# Allegro board LED_FIN.brd (continued)
## Nets (continued)
ROW_OUT_A21: D481.3(ANODE) D482.3(ANODE) D483.3(ANODE) D484.3(ANODE) D485.3(ANODE) D486.3(ANODE) D487.3(ANODE) D488.3(ANODE) D489.3(ANODE) D490.3(ANODE) D491.3(ANODE) D492.3(ANODE) D493.3(ANODE) D494.3(ANODE) D495.3(ANODE) D496.3(ANODE) D497.3(ANODE) D498.3(ANODE) D499.3(ANODE) D500.3(ANODE) D501.3(ANODE) D502.3(ANODE) D503.3(ANODE) D504.3(ANODE) D505.3(ANODE) D506.3(ANODE) D507.3(ANODE) D508.3(ANODE) D509.3(ANODE) D510.3(ANODE) D1621.3(ANODE) D1622.3(ANODE) D1623.3(ANODE) D1624.3(ANODE) D1625.3(ANODE) D1626.3(ANODE) D1627.3(ANODE) D1628.3(ANODE) D1629.3(ANODE) D1630.3(ANODE) D1631.3(ANODE) D1632.3(ANODE) D1633.3(ANODE) D1634.3(ANODE) D1635.3(ANODE) D1636.3(ANODE) D1637.3(ANODE) D1638.3(ANODE) D1639.3(ANODE) D1640.3(ANODE) D1641.3(ANODE) D1642.3(ANODE) D1643.3(ANODE) D1644.3(ANODE) D1645.3(ANODE) D1646.3(ANODE) D1647.3(ANODE) D1648.3(ANODE) D1649.3(ANODE) D1650.3(ANODE) D2761.3(ANODE) D2762.3(ANODE) D2763.3(ANODE) D2764.3(ANODE) D2765.3(ANODE) D2766.3(ANODE) D2767.3(ANODE) D2768.3(ANODE) D2769.3(ANODE) D2770.3(ANODE) D2771.3(ANODE) D2772.3(ANODE) D2773.3(ANODE) D2774.3(ANODE) D2775.3(ANODE) D2776.3(ANODE) D2777.3(ANODE) D2778.3(ANODE) D2779.3(ANODE) D2780.3(ANODE) D2781.3(ANODE) D2782.3(ANODE) D2783.3(ANODE) D2784.3(ANODE) D2785.3(ANODE) D2786.3(ANODE) D2787.3(ANODE) D2788.3(ANODE) D2789.3(ANODE) D2790.3(ANODE) D3901.3(ANODE) D3902.3(ANODE) D3903.3(ANODE) D3904.3(ANODE) D3905.3(ANODE) D3906.3(ANODE) D3907.3(ANODE) D3908.3(ANODE) D3909.3(ANODE) D3910.3(ANODE) D3911.3(ANODE) D3912.3(ANODE) D3913.3(ANODE) D3914.3(ANODE) D3915.3(ANODE) D3916.3(ANODE) D3917.3(ANODE) D3918.3(ANODE) D3919.3(ANODE) D3920.3(ANODE) D3921.3(ANODE) D3922.3(ANODE) D3923.3(ANODE) D3924.3(ANODE) D3925.3(ANODE) D3926.3(ANODE) D3927.3(ANODE) D3928.3(ANODE) D3929.3(ANODE) D3930.3(ANODE) U17.1(DRAIN)
ROW_OUT_A22: D451.3(ANODE) D452.3(ANODE) D453.3(ANODE) D454.3(ANODE) D455.3(ANODE) D456.3(ANODE) D457.3(ANODE) D458.3(ANODE) D459.3(ANODE) D460.3(ANODE) D461.3(ANODE) D462.3(ANODE) D463.3(ANODE) D464.3(ANODE) D465.3(ANODE) D466.3(ANODE) D467.3(ANODE) D468.3(ANODE) D469.3(ANODE) D470.3(ANODE) D471.3(ANODE) D472.3(ANODE) D473.3(ANODE) D474.3(ANODE) D475.3(ANODE) D476.3(ANODE) D477.3(ANODE) D478.3(ANODE) D479.3(ANODE) D480.3(ANODE) D1591.3(ANODE) D1592.3(ANODE) D1593.3(ANODE) D1594.3(ANODE) D1595.3(ANODE) D1596.3(ANODE) D1597.3(ANODE) D1598.3(ANODE) D1599.3(ANODE) D1600.3(ANODE) D1601.3(ANODE) D1602.3(ANODE) D1603.3(ANODE) D1604.3(ANODE) D1605.3(ANODE) D1606.3(ANODE) D1607.3(ANODE) D1608.3(ANODE) D1609.3(ANODE) D1610.3(ANODE) D1611.3(ANODE) D1612.3(ANODE) D1613.3(ANODE) D1614.3(ANODE) D1615.3(ANODE) D1616.3(ANODE) D1617.3(ANODE) D1618.3(ANODE) D1619.3(ANODE) D1620.3(ANODE) D2731.3(ANODE) D2732.3(ANODE) D2733.3(ANODE) D2734.3(ANODE) D2735.3(ANODE) D2736.3(ANODE) D2737.3(ANODE) D2738.3(ANODE) D2739.3(ANODE) D2740.3(ANODE) D2741.3(ANODE) D2742.3(ANODE) D2743.3(ANODE) D2744.3(ANODE) D2745.3(ANODE) D2746.3(ANODE) D2747.3(ANODE) D2748.3(ANODE) D2749.3(ANODE) D2750.3(ANODE) D2751.3(ANODE) D2752.3(ANODE) D2753.3(ANODE) D2754.3(ANODE) D2755.3(ANODE) D2756.3(ANODE) D2757.3(ANODE) D2758.3(ANODE) D2759.3(ANODE) D2760.3(ANODE) D3871.3(ANODE) D3872.3(ANODE) D3873.3(ANODE) D3874.3(ANODE) D3875.3(ANODE) D3876.3(ANODE) D3877.3(ANODE) D3878.3(ANODE) D3879.3(ANODE) D3880.3(ANODE) D3881.3(ANODE) D3882.3(ANODE) D3883.3(ANODE) D3884.3(ANODE) D3885.3(ANODE) D3886.3(ANODE) D3887.3(ANODE) D3888.3(ANODE) D3889.3(ANODE) D3890.3(ANODE) D3891.3(ANODE) D3892.3(ANODE) D3893.3(ANODE) D3894.3(ANODE) D3895.3(ANODE) D3896.3(ANODE) D3897.3(ANODE) D3898.3(ANODE) D3899.3(ANODE) D3900.3(ANODE) U16.1(DRAIN)
ROW_OUT_A23: D421.3(ANODE) D422.3(ANODE) D423.3(ANODE) D424.3(ANODE) D425.3(ANODE) D426.3(ANODE) D427.3(ANODE) D428.3(ANODE) D429.3(ANODE) D430.3(ANODE) D431.3(ANODE) D432.3(ANODE) D433.3(ANODE) D434.3(ANODE) D435.3(ANODE) D436.3(ANODE) D437.3(ANODE) D438.3(ANODE) D439.3(ANODE) D440.3(ANODE) D441.3(ANODE) D442.3(ANODE) D443.3(ANODE) D444.3(ANODE) D445.3(ANODE) D446.3(ANODE) D447.3(ANODE) D448.3(ANODE) D449.3(ANODE) D450.3(ANODE) D1561.3(ANODE) D1562.3(ANODE) D1563.3(ANODE) D1564.3(ANODE) D1565.3(ANODE) D1566.3(ANODE) D1567.3(ANODE) D1568.3(ANODE) D1569.3(ANODE) D1570.3(ANODE) D1571.3(ANODE) D1572.3(ANODE) D1573.3(ANODE) D1574.3(ANODE) D1575.3(ANODE) D1576.3(ANODE) D1577.3(ANODE) D1578.3(ANODE) D1579.3(ANODE) D1580.3(ANODE) D1581.3(ANODE) D1582.3(ANODE) D1583.3(ANODE) D1584.3(ANODE) D1585.3(ANODE) D1586.3(ANODE) D1587.3(ANODE) D1588.3(ANODE) D1589.3(ANODE) D1590.3(ANODE) D2701.3(ANODE) D2702.3(ANODE) D2703.3(ANODE) D2704.3(ANODE) D2705.3(ANODE) D2706.3(ANODE) D2707.3(ANODE) D2708.3(ANODE) D2709.3(ANODE) D2710.3(ANODE) D2711.3(ANODE) D2712.3(ANODE) D2713.3(ANODE) D2714.3(ANODE) D2715.3(ANODE) D2716.3(ANODE) D2717.3(ANODE) D2718.3(ANODE) D2719.3(ANODE) D2720.3(ANODE) D2721.3(ANODE) D2722.3(ANODE) D2723.3(ANODE) D2724.3(ANODE) D2725.3(ANODE) D2726.3(ANODE) D2727.3(ANODE) D2728.3(ANODE) D2729.3(ANODE) D2730.3(ANODE) D3841.3(ANODE) D3842.3(ANODE) D3843.3(ANODE) D3844.3(ANODE) D3845.3(ANODE) D3846.3(ANODE) D3847.3(ANODE) D3848.3(ANODE) D3849.3(ANODE) D3850.3(ANODE) D3851.3(ANODE) D3852.3(ANODE) D3853.3(ANODE) D3854.3(ANODE) D3855.3(ANODE) D3856.3(ANODE) D3857.3(ANODE) D3858.3(ANODE) D3859.3(ANODE) D3860.3(ANODE) D3861.3(ANODE) D3862.3(ANODE) D3863.3(ANODE) D3864.3(ANODE) D3865.3(ANODE) D3866.3(ANODE) D3867.3(ANODE) D3868.3(ANODE) D3869.3(ANODE) D3870.3(ANODE) U15.1(DRAIN)
ROW_OUT_A24: D391.3(ANODE) D392.3(ANODE) D393.3(ANODE) D394.3(ANODE) D395.3(ANODE) D396.3(ANODE) D397.3(ANODE) D398.3(ANODE) D399.3(ANODE) D400.3(ANODE) D401.3(ANODE) D402.3(ANODE) D403.3(ANODE) D404.3(ANODE) D405.3(ANODE) D406.3(ANODE) D407.3(ANODE) D408.3(ANODE) D409.3(ANODE) D410.3(ANODE) D411.3(ANODE) D412.3(ANODE) D413.3(ANODE) D414.3(ANODE) D415.3(ANODE) D416.3(ANODE) D417.3(ANODE) D418.3(ANODE) D419.3(ANODE) D420.3(ANODE) D1531.3(ANODE) D1532.3(ANODE) D1533.3(ANODE) D1534.3(ANODE) D1535.3(ANODE) D1536.3(ANODE) D1537.3(ANODE) D1538.3(ANODE) D1539.3(ANODE) D1540.3(ANODE) D1541.3(ANODE) D1542.3(ANODE) D1543.3(ANODE) D1544.3(ANODE) D1545.3(ANODE) D1546.3(ANODE) D1547.3(ANODE) D1548.3(ANODE) D1549.3(ANODE) D1550.3(ANODE) D1551.3(ANODE) D1552.3(ANODE) D1553.3(ANODE) D1554.3(ANODE) D1555.3(ANODE) D1556.3(ANODE) D1557.3(ANODE) D1558.3(ANODE) D1559.3(ANODE) D1560.3(ANODE) D2671.3(ANODE) D2672.3(ANODE) D2673.3(ANODE) D2674.3(ANODE) D2675.3(ANODE) D2676.3(ANODE) D2677.3(ANODE) D2678.3(ANODE) D2679.3(ANODE) D2680.3(ANODE) D2681.3(ANODE) D2682.3(ANODE) D2683.3(ANODE) D2684.3(ANODE) D2685.3(ANODE) D2686.3(ANODE) D2687.3(ANODE) D2688.3(ANODE) D2689.3(ANODE) D2690.3(ANODE) D2691.3(ANODE) D2692.3(ANODE) D2693.3(ANODE) D2694.3(ANODE) D2695.3(ANODE) D2696.3(ANODE) D2697.3(ANODE) D2698.3(ANODE) D2699.3(ANODE) D2700.3(ANODE) D3811.3(ANODE) D3812.3(ANODE) D3813.3(ANODE) D3814.3(ANODE) D3815.3(ANODE) D3816.3(ANODE) D3817.3(ANODE) D3818.3(ANODE) D3819.3(ANODE) D3820.3(ANODE) D3821.3(ANODE) D3822.3(ANODE) D3823.3(ANODE) D3824.3(ANODE) D3825.3(ANODE) D3826.3(ANODE) D3827.3(ANODE) D3828.3(ANODE) D3829.3(ANODE) D3830.3(ANODE) D3831.3(ANODE) D3832.3(ANODE) D3833.3(ANODE) D3834.3(ANODE) D3835.3(ANODE) D3836.3(ANODE) D3837.3(ANODE) D3838.3(ANODE) D3839.3(ANODE) D3840.3(ANODE) U14.1(DRAIN)
ROW_OUT_A25: D361.3(ANODE) D362.3(ANODE) D363.3(ANODE) D364.3(ANODE) D365.3(ANODE) D366.3(ANODE) D367.3(ANODE) D368.3(ANODE) D369.3(ANODE) D370.3(ANODE) D371.3(ANODE) D372.3(ANODE) D373.3(ANODE) D374.3(ANODE) D375.3(ANODE) D376.3(ANODE) D377.3(ANODE) D378.3(ANODE) D379.3(ANODE) D380.3(ANODE) D381.3(ANODE) D382.3(ANODE) D383.3(ANODE) D384.3(ANODE) D385.3(ANODE) D386.3(ANODE) D387.3(ANODE) D388.3(ANODE) D389.3(ANODE) D390.3(ANODE) D1501.3(ANODE) D1502.3(ANODE) D1503.3(ANODE) D1504.3(ANODE) D1505.3(ANODE) D1506.3(ANODE) D1507.3(ANODE) D1508.3(ANODE) D1509.3(ANODE) D1510.3(ANODE) D1511.3(ANODE) D1512.3(ANODE) D1513.3(ANODE) D1514.3(ANODE) D1515.3(ANODE) D1516.3(ANODE) D1517.3(ANODE) D1518.3(ANODE) D1519.3(ANODE) D1520.3(ANODE) D1521.3(ANODE) D1522.3(ANODE) D1523.3(ANODE) D1524.3(ANODE) D1525.3(ANODE) D1526.3(ANODE) D1527.3(ANODE) D1528.3(ANODE) D1529.3(ANODE) D1530.3(ANODE) D2641.3(ANODE) D2642.3(ANODE) D2643.3(ANODE) D2644.3(ANODE) D2645.3(ANODE) D2646.3(ANODE) D2647.3(ANODE) D2648.3(ANODE) D2649.3(ANODE) D2650.3(ANODE) D2651.3(ANODE) D2652.3(ANODE) D2653.3(ANODE) D2654.3(ANODE) D2655.3(ANODE) D2656.3(ANODE) D2657.3(ANODE) D2658.3(ANODE) D2659.3(ANODE) D2660.3(ANODE) D2661.3(ANODE) D2662.3(ANODE) D2663.3(ANODE) D2664.3(ANODE) D2665.3(ANODE) D2666.3(ANODE) D2667.3(ANODE) D2668.3(ANODE) D2669.3(ANODE) D2670.3(ANODE) D3781.3(ANODE) D3782.3(ANODE) D3783.3(ANODE) D3784.3(ANODE) D3785.3(ANODE) D3786.3(ANODE) D3787.3(ANODE) D3788.3(ANODE) D3789.3(ANODE) D3790.3(ANODE) D3791.3(ANODE) D3792.3(ANODE) D3793.3(ANODE) D3794.3(ANODE) D3795.3(ANODE) D3796.3(ANODE) D3797.3(ANODE) D3798.3(ANODE) D3799.3(ANODE) D3800.3(ANODE) D3801.3(ANODE) D3802.3(ANODE) D3803.3(ANODE) D3804.3(ANODE) D3805.3(ANODE) D3806.3(ANODE) D3807.3(ANODE) D3808.3(ANODE) D3809.3(ANODE) D3810.3(ANODE) U13.1(DRAIN)
ROW_OUT_A26: D331.3(ANODE) D332.3(ANODE) D333.3(ANODE) D334.3(ANODE) D335.3(ANODE) D336.3(ANODE) D337.3(ANODE) D338.3(ANODE) D339.3(ANODE) D340.3(ANODE) D341.3(ANODE) D342.3(ANODE) D343.3(ANODE) D344.3(ANODE) D345.3(ANODE) D346.3(ANODE) D347.3(ANODE) D348.3(ANODE) D349.3(ANODE) D350.3(ANODE) D351.3(ANODE) D352.3(ANODE) D353.3(ANODE) D354.3(ANODE) D355.3(ANODE) D356.3(ANODE) D357.3(ANODE) D358.3(ANODE) D359.3(ANODE) D360.3(ANODE) D1471.3(ANODE) D1472.3(ANODE) D1473.3(ANODE) D1474.3(ANODE) D1475.3(ANODE) D1476.3(ANODE) D1477.3(ANODE) D1478.3(ANODE) D1479.3(ANODE) D1480.3(ANODE) D1481.3(ANODE) D1482.3(ANODE) D1483.3(ANODE) D1484.3(ANODE) D1485.3(ANODE) D1486.3(ANODE) D1487.3(ANODE) D1488.3(ANODE) D1489.3(ANODE) D1490.3(ANODE) D1491.3(ANODE) D1492.3(ANODE) D1493.3(ANODE) D1494.3(ANODE) D1495.3(ANODE) D1496.3(ANODE) D1497.3(ANODE) D1498.3(ANODE) D1499.3(ANODE) D1500.3(ANODE) D2611.3(ANODE) D2612.3(ANODE) D2613.3(ANODE) D2614.3(ANODE) D2615.3(ANODE) D2616.3(ANODE) D2617.3(ANODE) D2618.3(ANODE) D2619.3(ANODE) D2620.3(ANODE) D2621.3(ANODE) D2622.3(ANODE) D2623.3(ANODE) D2624.3(ANODE) D2625.3(ANODE) D2626.3(ANODE) D2627.3(ANODE) D2628.3(ANODE) D2629.3(ANODE) D2630.3(ANODE) D2631.3(ANODE) D2632.3(ANODE) D2633.3(ANODE) D2634.3(ANODE) D2635.3(ANODE) D2636.3(ANODE) D2637.3(ANODE) D2638.3(ANODE) D2639.3(ANODE) D2640.3(ANODE) D3751.3(ANODE) D3752.3(ANODE) D3753.3(ANODE) D3754.3(ANODE) D3755.3(ANODE) D3756.3(ANODE) D3757.3(ANODE) D3758.3(ANODE) D3759.3(ANODE) D3760.3(ANODE) D3761.3(ANODE) D3762.3(ANODE) D3763.3(ANODE) D3764.3(ANODE) D3765.3(ANODE) D3766.3(ANODE) D3767.3(ANODE) D3768.3(ANODE) D3769.3(ANODE) D3770.3(ANODE) D3771.3(ANODE) D3772.3(ANODE) D3773.3(ANODE) D3774.3(ANODE) D3775.3(ANODE) D3776.3(ANODE) D3777.3(ANODE) D3778.3(ANODE) D3779.3(ANODE) D3780.3(ANODE) U12.1(DRAIN)
ROW_OUT_A27: D301.3(ANODE) D302.3(ANODE) D303.3(ANODE) D304.3(ANODE) D305.3(ANODE) D306.3(ANODE) D307.3(ANODE) D308.3(ANODE) D309.3(ANODE) D310.3(ANODE) D311.3(ANODE) D312.3(ANODE) D313.3(ANODE) D314.3(ANODE) D315.3(ANODE) D316.3(ANODE) D317.3(ANODE) D318.3(ANODE) D319.3(ANODE) D320.3(ANODE) D321.3(ANODE) D322.3(ANODE) D323.3(ANODE) D324.3(ANODE) D325.3(ANODE) D326.3(ANODE) D327.3(ANODE) D328.3(ANODE) D329.3(ANODE) D330.3(ANODE) D1441.3(ANODE) D1442.3(ANODE) D1443.3(ANODE) D1444.3(ANODE) D1445.3(ANODE) D1446.3(ANODE) D1447.3(ANODE) D1448.3(ANODE) D1449.3(ANODE) D1450.3(ANODE) D1451.3(ANODE) D1452.3(ANODE) D1453.3(ANODE) D1454.3(ANODE) D1455.3(ANODE) D1456.3(ANODE) D1457.3(ANODE) D1458.3(ANODE) D1459.3(ANODE) D1460.3(ANODE) D1461.3(ANODE) D1462.3(ANODE) D1463.3(ANODE) D1464.3(ANODE) D1465.3(ANODE) D1466.3(ANODE) D1467.3(ANODE) D1468.3(ANODE) D1469.3(ANODE) D1470.3(ANODE) D2581.3(ANODE) D2582.3(ANODE) D2583.3(ANODE) D2584.3(ANODE) D2585.3(ANODE) D2586.3(ANODE) D2587.3(ANODE) D2588.3(ANODE) D2589.3(ANODE) D2590.3(ANODE) D2591.3(ANODE) D2592.3(ANODE) D2593.3(ANODE) D2594.3(ANODE) D2595.3(ANODE) D2596.3(ANODE) D2597.3(ANODE) D2598.3(ANODE) D2599.3(ANODE) D2600.3(ANODE) D2601.3(ANODE) D2602.3(ANODE) D2603.3(ANODE) D2604.3(ANODE) D2605.3(ANODE) D2606.3(ANODE) D2607.3(ANODE) D2608.3(ANODE) D2609.3(ANODE) D2610.3(ANODE) D3721.3(ANODE) D3722.3(ANODE) D3723.3(ANODE) D3724.3(ANODE) D3725.3(ANODE) D3726.3(ANODE) D3727.3(ANODE) D3728.3(ANODE) D3729.3(ANODE) D3730.3(ANODE) D3731.3(ANODE) D3732.3(ANODE) D3733.3(ANODE) D3734.3(ANODE) D3735.3(ANODE) D3736.3(ANODE) D3737.3(ANODE) D3738.3(ANODE) D3739.3(ANODE) D3740.3(ANODE) D3741.3(ANODE) D3742.3(ANODE) D3743.3(ANODE) D3744.3(ANODE) D3745.3(ANODE) D3746.3(ANODE) D3747.3(ANODE) D3748.3(ANODE) D3749.3(ANODE) D3750.3(ANODE) U11.1(DRAIN)
ROW_OUT_A28: D271.3(ANODE) D272.3(ANODE) D273.3(ANODE) D274.3(ANODE) D275.3(ANODE) D276.3(ANODE) D277.3(ANODE) D278.3(ANODE) D279.3(ANODE) D280.3(ANODE) D281.3(ANODE) D282.3(ANODE) D283.3(ANODE) D284.3(ANODE) D285.3(ANODE) D286.3(ANODE) D287.3(ANODE) D288.3(ANODE) D289.3(ANODE) D290.3(ANODE) D291.3(ANODE) D292.3(ANODE) D293.3(ANODE) D294.3(ANODE) D295.3(ANODE) D296.3(ANODE) D297.3(ANODE) D298.3(ANODE) D299.3(ANODE) D300.3(ANODE) D1411.3(ANODE) D1412.3(ANODE) D1413.3(ANODE) D1414.3(ANODE) D1415.3(ANODE) D1416.3(ANODE) D1417.3(ANODE) D1418.3(ANODE) D1419.3(ANODE) D1420.3(ANODE) D1421.3(ANODE) D1422.3(ANODE) D1423.3(ANODE) D1424.3(ANODE) D1425.3(ANODE) D1426.3(ANODE) D1427.3(ANODE) D1428.3(ANODE) D1429.3(ANODE) D1430.3(ANODE) D1431.3(ANODE) D1432.3(ANODE) D1433.3(ANODE) D1434.3(ANODE) D1435.3(ANODE) D1436.3(ANODE) D1437.3(ANODE) D1438.3(ANODE) D1439.3(ANODE) D1440.3(ANODE) D2551.3(ANODE) D2552.3(ANODE) D2553.3(ANODE) D2554.3(ANODE) D2555.3(ANODE) D2556.3(ANODE) D2557.3(ANODE) D2558.3(ANODE) D2559.3(ANODE) D2560.3(ANODE) D2561.3(ANODE) D2562.3(ANODE) D2563.3(ANODE) D2564.3(ANODE) D2565.3(ANODE) D2566.3(ANODE) D2567.3(ANODE) D2568.3(ANODE) D2569.3(ANODE) D2570.3(ANODE) D2571.3(ANODE) D2572.3(ANODE) D2573.3(ANODE) D2574.3(ANODE) D2575.3(ANODE) D2576.3(ANODE) D2577.3(ANODE) D2578.3(ANODE) D2579.3(ANODE) D2580.3(ANODE) D3691.3(ANODE) D3692.3(ANODE) D3693.3(ANODE) D3694.3(ANODE) D3695.3(ANODE) D3696.3(ANODE) D3697.3(ANODE) D3698.3(ANODE) D3699.3(ANODE) D3700.3(ANODE) D3701.3(ANODE) D3702.3(ANODE) D3703.3(ANODE) D3704.3(ANODE) D3705.3(ANODE) D3706.3(ANODE) D3707.3(ANODE) D3708.3(ANODE) D3709.3(ANODE) D3710.3(ANODE) D3711.3(ANODE) D3712.3(ANODE) D3713.3(ANODE) D3714.3(ANODE) D3715.3(ANODE) D3716.3(ANODE) D3717.3(ANODE) D3718.3(ANODE) D3719.3(ANODE) D3720.3(ANODE) U10.1(DRAIN)
ROW_OUT_A29: D241.3(ANODE) D242.3(ANODE) D243.3(ANODE) D244.3(ANODE) D245.3(ANODE) D246.3(ANODE) D247.3(ANODE) D248.3(ANODE) D249.3(ANODE) D250.3(ANODE) D251.3(ANODE) D252.3(ANODE) D253.3(ANODE) D254.3(ANODE) D255.3(ANODE) D256.3(ANODE) D257.3(ANODE) D258.3(ANODE) D259.3(ANODE) D260.3(ANODE) D261.3(ANODE) D262.3(ANODE) D263.3(ANODE) D264.3(ANODE) D265.3(ANODE) D266.3(ANODE) D267.3(ANODE) D268.3(ANODE) D269.3(ANODE) D270.3(ANODE) D1381.3(ANODE) D1382.3(ANODE) D1383.3(ANODE) D1384.3(ANODE) D1385.3(ANODE) D1386.3(ANODE) D1387.3(ANODE) D1388.3(ANODE) D1389.3(ANODE) D1390.3(ANODE) D1391.3(ANODE) D1392.3(ANODE) D1393.3(ANODE) D1394.3(ANODE) D1395.3(ANODE) D1396.3(ANODE) D1397.3(ANODE) D1398.3(ANODE) D1399.3(ANODE) D1400.3(ANODE) D1401.3(ANODE) D1402.3(ANODE) D1403.3(ANODE) D1404.3(ANODE) D1405.3(ANODE) D1406.3(ANODE) D1407.3(ANODE) D1408.3(ANODE) D1409.3(ANODE) D1410.3(ANODE) D2521.3(ANODE) D2522.3(ANODE) D2523.3(ANODE) D2524.3(ANODE) D2525.3(ANODE) D2526.3(ANODE) D2527.3(ANODE) D2528.3(ANODE) D2529.3(ANODE) D2530.3(ANODE) D2531.3(ANODE) D2532.3(ANODE) D2533.3(ANODE) D2534.3(ANODE) D2535.3(ANODE) D2536.3(ANODE) D2537.3(ANODE) D2538.3(ANODE) D2539.3(ANODE) D2540.3(ANODE) D2541.3(ANODE) D2542.3(ANODE) D2543.3(ANODE) D2544.3(ANODE) D2545.3(ANODE) D2546.3(ANODE) D2547.3(ANODE) D2548.3(ANODE) D2549.3(ANODE) D2550.3(ANODE) D3661.3(ANODE) D3662.3(ANODE) D3663.3(ANODE) D3664.3(ANODE) D3665.3(ANODE) D3666.3(ANODE) D3667.3(ANODE) D3668.3(ANODE) D3669.3(ANODE) D3670.3(ANODE) D3671.3(ANODE) D3672.3(ANODE) D3673.3(ANODE) D3674.3(ANODE) D3675.3(ANODE) D3676.3(ANODE) D3677.3(ANODE) D3678.3(ANODE) D3679.3(ANODE) D3680.3(ANODE) D3681.3(ANODE) D3682.3(ANODE) D3683.3(ANODE) D3684.3(ANODE) D3685.3(ANODE) D3686.3(ANODE) D3687.3(ANODE) D3688.3(ANODE) D3689.3(ANODE) D3690.3(ANODE) U9.1(DRAIN)
ROW_OUT_A30: D211.3(ANODE) D212.3(ANODE) D213.3(ANODE) D214.3(ANODE) D215.3(ANODE) D216.3(ANODE) D217.3(ANODE) D218.3(ANODE) D219.3(ANODE) D220.3(ANODE) D221.3(ANODE) D222.3(ANODE) D223.3(ANODE) D224.3(ANODE) D225.3(ANODE) D226.3(ANODE) D227.3(ANODE) D228.3(ANODE) D229.3(ANODE) D230.3(ANODE) D231.3(ANODE) D232.3(ANODE) D233.3(ANODE) D234.3(ANODE) D235.3(ANODE) D236.3(ANODE) D237.3(ANODE) D238.3(ANODE) D239.3(ANODE) D240.3(ANODE) D1351.3(ANODE) D1352.3(ANODE) D1353.3(ANODE) D1354.3(ANODE) D1355.3(ANODE) D1356.3(ANODE) D1357.3(ANODE) D1358.3(ANODE) D1359.3(ANODE) D1360.3(ANODE) D1361.3(ANODE) D1362.3(ANODE) D1363.3(ANODE) D1364.3(ANODE) D1365.3(ANODE) D1366.3(ANODE) D1367.3(ANODE) D1368.3(ANODE) D1369.3(ANODE) D1370.3(ANODE) D1371.3(ANODE) D1372.3(ANODE) D1373.3(ANODE) D1374.3(ANODE) D1375.3(ANODE) D1376.3(ANODE) D1377.3(ANODE) D1378.3(ANODE) D1379.3(ANODE) D1380.3(ANODE) D2491.3(ANODE) D2492.3(ANODE) D2493.3(ANODE) D2494.3(ANODE) D2495.3(ANODE) D2496.3(ANODE) D2497.3(ANODE) D2498.3(ANODE) D2499.3(ANODE) D2500.3(ANODE) D2501.3(ANODE) D2502.3(ANODE) D2503.3(ANODE) D2504.3(ANODE) D2505.3(ANODE) D2506.3(ANODE) D2507.3(ANODE) D2508.3(ANODE) D2509.3(ANODE) D2510.3(ANODE) D2511.3(ANODE) D2512.3(ANODE) D2513.3(ANODE) D2514.3(ANODE) D2515.3(ANODE) D2516.3(ANODE) D2517.3(ANODE) D2518.3(ANODE) D2519.3(ANODE) D2520.3(ANODE) D3631.3(ANODE) D3632.3(ANODE) D3633.3(ANODE) D3634.3(ANODE) D3635.3(ANODE) D3636.3(ANODE) D3637.3(ANODE) D3638.3(ANODE) D3639.3(ANODE) D3640.3(ANODE) D3641.3(ANODE) D3642.3(ANODE) D3643.3(ANODE) D3644.3(ANODE) D3645.3(ANODE) D3646.3(ANODE) D3647.3(ANODE) D3648.3(ANODE) D3649.3(ANODE) D3650.3(ANODE) D3651.3(ANODE) D3652.3(ANODE) D3653.3(ANODE) D3654.3(ANODE) D3655.3(ANODE) D3656.3(ANODE) D3657.3(ANODE) D3658.3(ANODE) D3659.3(ANODE) D3660.3(ANODE) U8.1(DRAIN)
ROW_OUT_A31: D181.3(ANODE) D182.3(ANODE) D183.3(ANODE) D184.3(ANODE) D185.3(ANODE) D186.3(ANODE) D187.3(ANODE) D188.3(ANODE) D189.3(ANODE) D190.3(ANODE) D191.3(ANODE) D192.3(ANODE) D193.3(ANODE) D194.3(ANODE) D195.3(ANODE) D196.3(ANODE) D197.3(ANODE) D198.3(ANODE) D199.3(ANODE) D200.3(ANODE) D201.3(ANODE) D202.3(ANODE) D203.3(ANODE) D204.3(ANODE) D205.3(ANODE) D206.3(ANODE) D207.3(ANODE) D208.3(ANODE) D209.3(ANODE) D210.3(ANODE) D1321.3(ANODE) D1322.3(ANODE) D1323.3(ANODE) D1324.3(ANODE) D1325.3(ANODE) D1326.3(ANODE) D1327.3(ANODE) D1328.3(ANODE) D1329.3(ANODE) D1330.3(ANODE) D1331.3(ANODE) D1332.3(ANODE) D1333.3(ANODE) D1334.3(ANODE) D1335.3(ANODE) D1336.3(ANODE) D1337.3(ANODE) D1338.3(ANODE) D1339.3(ANODE) D1340.3(ANODE) D1341.3(ANODE) D1342.3(ANODE) D1343.3(ANODE) D1344.3(ANODE) D1345.3(ANODE) D1346.3(ANODE) D1347.3(ANODE) D1348.3(ANODE) D1349.3(ANODE) D1350.3(ANODE) D2461.3(ANODE) D2462.3(ANODE) D2463.3(ANODE) D2464.3(ANODE) D2465.3(ANODE) D2466.3(ANODE) D2467.3(ANODE) D2468.3(ANODE) D2469.3(ANODE) D2470.3(ANODE) D2471.3(ANODE) D2472.3(ANODE) D2473.3(ANODE) D2474.3(ANODE) D2475.3(ANODE) D2476.3(ANODE) D2477.3(ANODE) D2478.3(ANODE) D2479.3(ANODE) D2480.3(ANODE) D2481.3(ANODE) D2482.3(ANODE) D2483.3(ANODE) D2484.3(ANODE) D2485.3(ANODE) D2486.3(ANODE) D2487.3(ANODE) D2488.3(ANODE) D2489.3(ANODE) D2490.3(ANODE) D3601.3(ANODE) D3602.3(ANODE) D3603.3(ANODE) D3604.3(ANODE) D3605.3(ANODE) D3606.3(ANODE) D3607.3(ANODE) D3608.3(ANODE) D3609.3(ANODE) D3610.3(ANODE) D3611.3(ANODE) D3612.3(ANODE) D3613.3(ANODE) D3614.3(ANODE) D3615.3(ANODE) D3616.3(ANODE) D3617.3(ANODE) D3618.3(ANODE) D3619.3(ANODE) D3620.3(ANODE) D3621.3(ANODE) D3622.3(ANODE) D3623.3(ANODE) D3624.3(ANODE) D3625.3(ANODE) D3626.3(ANODE) D3627.3(ANODE) D3628.3(ANODE) D3629.3(ANODE) D3630.3(ANODE) U7.1(DRAIN)
ROW_OUT_A32: D151.3(ANODE) D152.3(ANODE) D153.3(ANODE) D154.3(ANODE) D155.3(ANODE) D156.3(ANODE) D157.3(ANODE) D158.3(ANODE) D159.3(ANODE) D160.3(ANODE) D161.3(ANODE) D162.3(ANODE) D163.3(ANODE) D164.3(ANODE) D165.3(ANODE) D166.3(ANODE) D167.3(ANODE) D168.3(ANODE) D169.3(ANODE) D170.3(ANODE) D171.3(ANODE) D172.3(ANODE) D173.3(ANODE) D174.3(ANODE) D175.3(ANODE) D176.3(ANODE) D177.3(ANODE) D178.3(ANODE) D179.3(ANODE) D180.3(ANODE) D1291.3(ANODE) D1292.3(ANODE) D1293.3(ANODE) D1294.3(ANODE) D1295.3(ANODE) D1296.3(ANODE) D1297.3(ANODE) D1298.3(ANODE) D1299.3(ANODE) D1300.3(ANODE) D1301.3(ANODE) D1302.3(ANODE) D1303.3(ANODE) D1304.3(ANODE) D1305.3(ANODE) D1306.3(ANODE) D1307.3(ANODE) D1308.3(ANODE) D1309.3(ANODE) D1310.3(ANODE) D1311.3(ANODE) D1312.3(ANODE) D1313.3(ANODE) D1314.3(ANODE) D1315.3(ANODE) D1316.3(ANODE) D1317.3(ANODE) D1318.3(ANODE) D1319.3(ANODE) D1320.3(ANODE) D2431.3(ANODE) D2432.3(ANODE) D2433.3(ANODE) D2434.3(ANODE) D2435.3(ANODE) D2436.3(ANODE) D2437.3(ANODE) D2438.3(ANODE) D2439.3(ANODE) D2440.3(ANODE) D2441.3(ANODE) D2442.3(ANODE) D2443.3(ANODE) D2444.3(ANODE) D2445.3(ANODE) D2446.3(ANODE) D2447.3(ANODE) D2448.3(ANODE) D2449.3(ANODE) D2450.3(ANODE) D2451.3(ANODE) D2452.3(ANODE) D2453.3(ANODE) D2454.3(ANODE) D2455.3(ANODE) D2456.3(ANODE) D2457.3(ANODE) D2458.3(ANODE) D2459.3(ANODE) D2460.3(ANODE) D3571.3(ANODE) D3572.3(ANODE) D3573.3(ANODE) D3574.3(ANODE) D3575.3(ANODE) D3576.3(ANODE) D3577.3(ANODE) D3578.3(ANODE) D3579.3(ANODE) D3580.3(ANODE) D3581.3(ANODE) D3582.3(ANODE) D3583.3(ANODE) D3584.3(ANODE) D3585.3(ANODE) D3586.3(ANODE) D3587.3(ANODE) D3588.3(ANODE) D3589.3(ANODE) D3590.3(ANODE) D3591.3(ANODE) D3592.3(ANODE) D3593.3(ANODE) D3594.3(ANODE) D3595.3(ANODE) D3596.3(ANODE) D3597.3(ANODE) D3598.3(ANODE) D3599.3(ANODE) D3600.3(ANODE) U6.1(DRAIN)
ROW_OUT_A33: D121.3(ANODE) D122.3(ANODE) D123.3(ANODE) D124.3(ANODE) D125.3(ANODE) D126.3(ANODE) D127.3(ANODE) D128.3(ANODE) D129.3(ANODE) D130.3(ANODE) D131.3(ANODE) D132.3(ANODE) D133.3(ANODE) D134.3(ANODE) D135.3(ANODE) D136.3(ANODE) D137.3(ANODE) D138.3(ANODE) D139.3(ANODE) D140.3(ANODE) D141.3(ANODE) D142.3(ANODE) D143.3(ANODE) D144.3(ANODE) D145.3(ANODE) D146.3(ANODE) D147.3(ANODE) D148.3(ANODE) D149.3(ANODE) D150.3(ANODE) D1261.3(ANODE) D1262.3(ANODE) D1263.3(ANODE) D1264.3(ANODE) D1265.3(ANODE) D1266.3(ANODE) D1267.3(ANODE) D1268.3(ANODE) D1269.3(ANODE) D1270.3(ANODE) D1271.3(ANODE) D1272.3(ANODE) D1273.3(ANODE) D1274.3(ANODE) D1275.3(ANODE) D1276.3(ANODE) D1277.3(ANODE) D1278.3(ANODE) D1279.3(ANODE) D1280.3(ANODE) D1281.3(ANODE) D1282.3(ANODE) D1283.3(ANODE) D1284.3(ANODE) D1285.3(ANODE) D1286.3(ANODE) D1287.3(ANODE) D1288.3(ANODE) D1289.3(ANODE) D1290.3(ANODE) D2401.3(ANODE) D2402.3(ANODE) D2403.3(ANODE) D2404.3(ANODE) D2405.3(ANODE) D2406.3(ANODE) D2407.3(ANODE) D2408.3(ANODE) D2409.3(ANODE) D2410.3(ANODE) D2411.3(ANODE) D2412.3(ANODE) D2413.3(ANODE) D2414.3(ANODE) D2415.3(ANODE) D2416.3(ANODE) D2417.3(ANODE) D2418.3(ANODE) D2419.3(ANODE) D2420.3(ANODE) D2421.3(ANODE) D2422.3(ANODE) D2423.3(ANODE) D2424.3(ANODE) D2425.3(ANODE) D2426.3(ANODE) D2427.3(ANODE) D2428.3(ANODE) D2429.3(ANODE) D2430.3(ANODE) D3541.3(ANODE) D3542.3(ANODE) D3543.3(ANODE) D3544.3(ANODE) D3545.3(ANODE) D3546.3(ANODE) D3547.3(ANODE) D3548.3(ANODE) D3549.3(ANODE) D3550.3(ANODE) D3551.3(ANODE) D3552.3(ANODE) D3553.3(ANODE) D3554.3(ANODE) D3555.3(ANODE) D3556.3(ANODE) D3557.3(ANODE) D3558.3(ANODE) D3559.3(ANODE) D3560.3(ANODE) D3561.3(ANODE) D3562.3(ANODE) D3563.3(ANODE) D3564.3(ANODE) D3565.3(ANODE) D3566.3(ANODE) D3567.3(ANODE) D3568.3(ANODE) D3569.3(ANODE) D3570.3(ANODE) U5.1(DRAIN)
